# Altium PCB WCAM-BREAKOUT-PCB-R03.PcbDoc (part 2 of 2)
Units mm, origin at the board's own origin, x right, y up, seen from the top; angles counter-clockwise.
Board outline 42.7 x 48.05 mm, 4 copper layers (Top Layer, Mid1, Mid2, Bottom Layer), stack 1.586 mm thick; 114 components, 74 nets, 347 pads, 271 vias.
Unrouted connection lines stored in the file: 147.
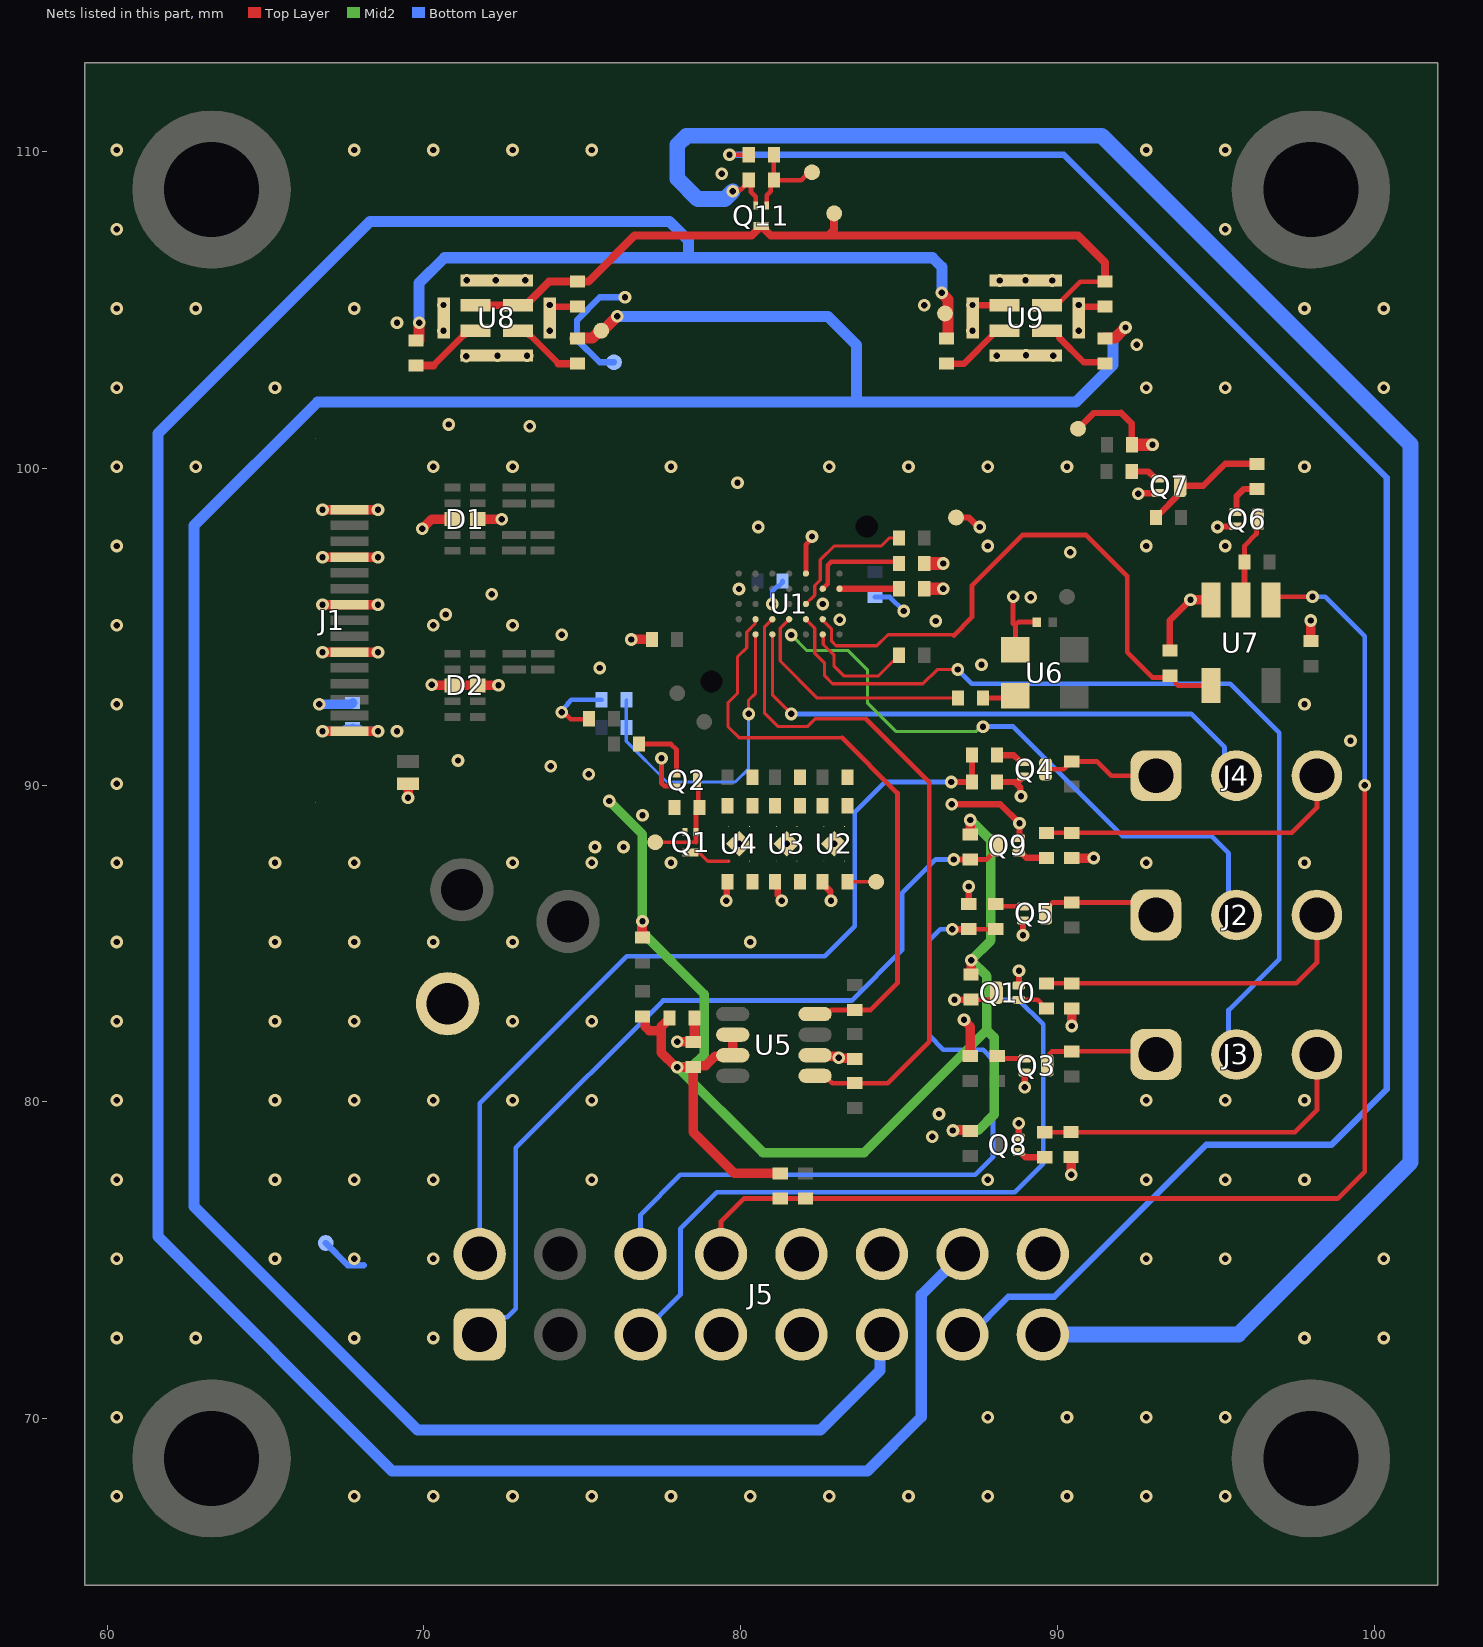
[diagram p4: the nets of this part, all layers, seen from the top]

## Via types
v1: diameter 0.4, hole 0.2, Top Layer to Bottom Layer, tented both sides, 164 vias
v2: diameter 0.4/0.4/0.4/0.4 (per signal layer), hole 0.2, Top Layer to Bottom Layer, tented both sides, 107 vias

## Nets (pads, with @x,y where several pads share a name; then routed paths per layer and width w, separated by ;. In a path a pad name is that pad's centre, name@x,y a point inside that pad or via, vN(x,y) a via of type N, cw(c..) or ccw(c..) an arc to the next point about the centre after c; other vN are vias at no path point) (continued)
GND: C1.2 C2.2 C4.2 C5.2 C6.2 C7.2 C8.2 C9.2 C10.2 C11.2 C12.2 C13.2 C14.2 C15.2 C16.2 C17.2 C18.2 D1.3 D1.8 D2.3 D2.8 D3.2 J1.1 J1.4 J1.7 J1.10 J5.7 J5.9 J5.10 J5.12 J5.16 Q2.2 Q3.2 Q4.2 Q5.2 Q6.2 Q7.2 Q8.2 Q9.2 Q10.2 R6.2 R8.1 R9.1 R15.1 R24.1 R25.1 R26.1 R28.1 R33.1 R39.1 R40.1 R41.1 TP10.TP TP11.TP TP12.TP TP13.TP TP16.TP U1.B1 U1.C2 U1.C5 U1.D7 U1.E3 U2.2 U2.5 U3.2 U3.5 U4.2 U4.5 U5.6 U6.2 U7.3 U8.5 U8.6 U8.7 U8.8 U9.3 U9.5 U9.6 U9.7 U9.8 | length 54.7
  Top Layer w0.15: v1(70.786,101.388) 70.788,101.388 v1@70.8,101.4 ; v1(74.35,92.3) 74.418,92.3 74.637,92.081 75.186,92.081 R6.2@75.205,92.1 ; v1(77.5,90.85) 77.5,90.063 77.588,89.975 Q2.2@77.975,89.975 ; C11.2@79.58,86.95 C11.2@79.593,86.937 ; U1.E3@82.06,96.68 82.06,97.592 82.25,97.782 v1(82.25,97.85) ; U1.B1@83.06,95.25 83.11,95.25 U1.B1@83.12,95.24 83.131,95.229 v1(83.131,95.218) ; v1(88.6,95.95) 88.6,95.1 88.65,95.05 ; U6.2@88.675,94.275 88.675,95.05 ; 88.675,95.062 88.763,95.15 C15.2@89.35,95.15
  Top Layer w0.2: v1(73.977,105.16) 74.032,105.105 C16.2@74.9,105.105 ; v1(79.55,86.35) 79.565,86.365 79.565,86.909 C11.2@79.593,86.937 ; C7.2@81.08,86.95 81.08,86.9 81.17,86.81 81.17,86.534 81.3,86.404 v1(81.3,86.35) ; C1.2@82.58,86.95 82.58,86.9 82.836,86.644 82.836,86.318 v1@82.85,86.304 ; v1(86.665,89.401) 88.199,89.401 v1(88.8,88.8) 88.8,88.35 Q9.2@88.775,88.325 ; TP13.TP@86.892,98.45 87.196,98.45 87.496,98.15 v1(87.55,98.15) ; R26.1@87.2,86.245 v1(87.2,86.8) ; U9.7@87.35,105.15 U9.3@88.325,105.15 ; R25.1@88.095,90.1 88.75,90.1 ; Q8.2@88.775,78.875 v1(88.775,79.325) ; Q10.2@88.788,83.688 v1(88.788,84.137) ; v1@88.9,89.6 88.821,89.679 88.821,89.929 88.7,90.05 88.825,90.175 88.825,90.25 88.85,90.275 Q4.2@88.925,90.275 ; v1(88.913,85.263) Q5.2@88.913,85.713 ; v1(88.963,80.463) Q3.2@88.963,80.913 ; TP12.TP@90.65,101.25 91.15,101.75 91.996,101.75 92.008,101.762 92.35,101.419 R33.1@92.35,100.8 ; v1(90.677,105.16) 90.732,105.105 C17.2@91.4,105.105 ; v1(92.55,99.2) 92.564,99.214 93.164,99.214 Q7.2@93.175,99.225 ; v1@92.998,100.748 v1@93.05,100.8 ; R28.1@93.55,94.245 93.55,95.2 v1(94.2,95.85) ; v1@95.064,98.164 Q6.2@95.664,98.164
  Top Layer w0.3: v1(66.8,94.2) J1.10@67.65,94.2 v1(68.549,94.2) ; v1(66.8,95.7) J1.7@67.65,95.7 v1(68.549,95.7) ; v1(66.8,97.2) J1.4@67.65,97.2 v1(68.549,97.2) ; v1(66.8,98.7) J1.1@67.65,98.7 v1(68.549,98.7) ; v1(69.5,89.6) D3.2@69.5,90.05 ; v1(69.95,98.1) 70.25,98.4 D1.3@70.9,98.4 ; v1@70.268,93.15 70.269,93.152 70.293,93.152 70.295,93.15 D2.3@70.9,93.15 v1(72.354,93.15) ; D1.8@71.7,98.4 v1(72.454,98.4) ; v1(76.55,94.6) C4.2@77.205,94.6 ; v1(78,81.9) 78.495,81.9 C13.2@78.5,81.895 ; C13.2@78.535,81.9 R15.1@78.535,82.64 ; U5.6@82.35,81.475 82.375,81.45 83.023,81.45 83.073,81.4 v1(83.1,81.4) 83.119,81.381 83.574,81.381 C14.2@83.6,81.355 ; v1(87.05,82.6) 87.05,82.574 87.25,82.374 R24.1@87.25,81.45 ; v1(90.432,77.705) R39.1@90.432,78.26 ; v1(90.45,82.4) R41.1@90.45,82.955 ; R40.1@90.45,87.705 90.455,87.7 v1(91.15,87.7) ; v1(94.2,95.85) U7.3@94.844,95.85 ; C18.2@98,94.545 v1@98,95.173
  Top Layer w0.4: C9.2@85.795,96.2 v1(86.4,96.2) ; C10.2@85.795,97 v1@86.35,97 ; R33.1@92.357,100.748 v1@92.998,100.748
  Bottom Layer w0.15: v1(74.35,92.3) 74.35,92.368 74.551,92.569 74.551,92.594 74.657,92.7 R8.1@75.61,92.7 ; v1(81,95.72) 81,96.125 81.155,96.28 81.205,96.28 81.32,96.395 C5.2@81.32,96.445 ; R9.1@84.244,95.938 84.712,95.938 v1(85.15,95.5)
  Bottom Layer w0.2: TP10.TP@66.9,75.55 67.6,74.85 67.996,74.85 68.008,74.838 68.088,74.838 68.1,74.85 ; TP11.TP@76,103.35 75.55,103.35 74.833,104.067 74.833,104.683 75.55,105.4 v1@76.3,105.4
  Bottom Layer w0.3: v1@66.727,92.55 67.487,92.55 67.492,92.555 67.71,92.555 C6.2@67.75,92.595
  other v1: 86.05,78.9 86.26,79.618 82.85,86.35 75.4,88.05 76.3,88.05 79.95,88.15 81.45,88.15 82.95,88.15 88.85,89.65 74,90.6 71.078,90.781 99.25,91.4 69.15,91.7 66.7,92.55 70.247,93.171 75.55,93.7 87.6,93.8 74.35,94.75 86.157,95.183 98,95.2 70.686,95.388 82.59,95.72 89.156,95.938 72.138,96.032 79.946,96.195 86.4,97 90.4,97.35 80.55,98.15 95.05,98.15 79.9,99.55 93,100.75 73.338,101.332 71.332,103.545 72.326,103.558 73.254,103.558 88.082,103.557 89.862,103.557 89.006,103.568 92.5,103.9 70.62,104.35 73.974,104.35 87.32,104.35 90.674,104.35 69.15,104.6 70.62,105.16 85.8,105.15 87.32,105.16 76.35,105.4 71.358,105.935 72.267,105.938 73.202,105.935 88.181,105.933 88.992,105.94 89.831,105.933 79.4,109.3
  other v2: 60.3,67.55 67.8,67.55 70.3,67.55 72.8,67.55 75.3,67.55 77.8,67.55 80.3,67.55 82.8,67.55 85.3,67.55 87.8,67.55 90.3,67.55 92.8,67.55 95.3,67.55 60.3,70.05 87.8,70.05 90.3,70.05 92.8,70.05 95.3,70.05 60.3,72.55 62.8,72.55 67.8,72.55 70.3,72.55 97.8,72.55 100.3,72.55 60.3,75.05 65.3,75.05 67.8,75.05 70.3,75.05 92.8,75.05 95.3,75.05 100.3,75.05 60.3,77.55 65.3,77.55 67.8,77.55 70.3,77.55 75.3,77.55 87.8,77.55 92.8,77.55 95.3,77.55 97.8,77.55 60.3,80.05 65.3,80.05 67.8,80.05 70.3,80.05 72.8,80.05 75.3,80.05 92.8,80.05 95.3,80.05 97.8,80.05 60.3,82.55 65.3,82.55 67.8,82.55 72.8,82.55 75.3,82.55 60.3,85.05 65.3,85.05 67.8,85.05 70.3,85.05 72.8,85.05 80.3,85.05 60.3,87.55 65.3,87.55 67.8,87.55 72.8,87.55 75.3,87.55 77.8,87.55 92.8,87.55 97.8,87.55 60.3,90.05 60.3,92.55 97.8,92.55 60.3,95.05 70.3,95.05 72.8,95.05 60.3,97.55 87.8,97.55 92.8,97.55 95.3,97.55 60.3,100.05 62.8,100.05 70.3,100.05 72.8,100.05 77.8,100.05 82.8,100.05 85.3,100.05 87.8,100.05 90.3,100.05 97.8,100.05 60.3,102.55 65.3,102.55 92.8,102.55 95.3,102.55 100.3,102.55 60.3,105.05 62.8,105.05 67.8,105.05 97.8,105.05 100.3,105.05 60.3,107.55 95.3,107.55 60.3,110.05 67.8,110.05 70.3,110.05 72.8,110.05 75.3,110.05 92.8,110.05 95.3,110.05
GPIO_3V3_INPUT: J5.2 R21.2 R25.2 | length 27.4
  Top Layer w0.2: v1(86.65,90.1) R25.2@87.305,90.1 ; R25.2@87.305,90.105 R21.2@87.305,90.9
  Bottom Layer w0.15: J5.2@71.76,75.2 71.76,79.96 76.4,84.6 82.65,84.6 83.6,85.55 83.6,89.15 84.55,90.1 v1(86.65,90.1)
GPIO_3V3_OUTPUT: J5.1 Q9.3 R30.1 | length 26.7
  Top Layer w0.15: R30.1@87.38,87.655 87.766,87.655 88.05,87.939 Q9.3@88.05,88
  Top Layer w0.2: v1(86.725,87.655) R30.1@87.25,87.655 R30.1@87.38,87.655
  Bottom Layer w0.15: J5.1@71.76,72.66 72.302,73.202 72.625,73.202 72.9,73.476 72.9,78.55 77.55,83.2 83.5,83.2 85.1,84.8 85.1,86.6 86.155,87.655 v1(86.725,87.655)
MIC_CLK: J5.14 R44.2 R45.1 TP6.TP | length 100.3
  Top Layer w0.349: R44.2@69.85,104.045 v1(69.85,104.6) ; v1(86.35,105.541) 86.35,105.527 86.55,105.327 R45.1@86.55,104.095
  Bottom Layer w0.349: v1(69.85,104.6) 69.85,105.85 70.65,106.65 78.35,106.65 ; v1(86.35,105.541) 86.35,106.35 86.05,106.65 78.35,106.65 ; J5.14@87,75.2 85.7,73.9 85.7,70.05 84,68.35 69,68.35 61.6,75.75 61.6,101.1 68.3,107.8 77.75,107.8 78.35,107.2 78.35,106.65
MIC_DATA: J5.11 R42.2 R43.1 TP7.TP | length 92.6
  Top Layer w0.349: R42.2@74.75,104.095 R42.2@74.765,104.11 ; R42.2@74.85,104.095 74.865,104.11 75.32,104.11 75.56,104.35 TP7.TP@75.6,104.35 ; TP7.TP@75.621,104.321 v1(76.1,104.8) ; R43.1@91.45,104.095 91.465,104.11 91.81,104.11 v1(92.15,104.45)
  Bottom Layer w0.349: v1(76.1,104.8) 82.75,104.8 83.65,103.9 83.65,102.1 ; J5.11@84.46,72.66 84.391,72.591 84.391,71.519 82.522,69.65 69.8,69.65 62.75,76.7 62.75,98.2 66.65,102.1 83.65,102.1 ; v1@92.14,104.44 91.75,104.05 91.75,103.261 90.589,102.1 83.65,102.1
MIC_DISABLE: J5.13 R47.1 | length 61.5
  Top Layer w0.15: v1(79.65,109.9) R47.1@80.255,109.9
  Bottom Layer w0.2: v1(79.65,109.9) 90.2,109.9 100.4,99.7 100.4,80.4 98.65,78.65 94.7,78.65 89.9,73.85 88.45,73.85 87.26,72.66 J5.13@87,72.66
NetC1_1: C1.1 C7.1 C11.1 Q1.3 TP1.TP U2.4 U3.4 U4.3 U4.4 | length 2.1
  Top Layer w0.1: Q1.3@78.568,87.872 78.693,87.872 78.964,87.601 U4.3@79.625,87.601 ; C1.1@83.37,86.95 TP1.TP@84.275,86.95
NetC2_1: C2.1 R1.2 U2.1
NetC8_1: C8.1 R2.2 U3.1
NetC12_1: C12.1 R4.2 U4.1
NetJ2_1: J2.1 Q5.3 R18.1 | length 3.9
  Top Layer w0.15: Q5.3@89.625,85.95 89.625,86.086 89.764,86.225 89.768,86.225 89.838,86.295 92.715,86.295 J2.1@93.11,85.9
NetJ2_3: J2.3 R38.1 R41.2 | length 10.3
  Top Layer w0.15: R38.1@89.65,83.745 R41.2@90.45,83.745 97.533,83.745 98.19,84.402 J2.3@98.19,85.9
NetJ3_1: J3.1 Q3.3 R16.1 | length 3.8
  Top Layer w0.15: Q3.3@89.675,81.15 89.742,81.217 89.742,81.507 89.83,81.595 R16.1@90.45,81.595 ; R16.1@90.45,81.6 93.01,81.6 J3.1@93.11,81.5
NetJ3_3: J3.3 R36.1 R39.2 | length 10.6
  Top Layer w0.15: R36.1@89.6,79.045 97.495,79.045 98.19,79.74 J3.3@98.19,81.5
NetJ4_1: J4.1 Q4.3 R17.1 | length 3.8
  Top Layer w0.15: Q4.3@89.625,90.5 90.193,90.5 90.31,90.617 90.31,90.655 R17.1@90.4,90.745 ; R17.1@90.5,90.745 R17.1@90.45,90.745 91.255,90.745 91.7,90.3 J4.1@93.11,90.3
NetJ4_3: J4.3 R37.1 R40.2 | length 9.8
  Top Layer w0.15: R37.1@89.7,88.5 89.705,88.495 R40.2@90.45,88.495 ; R40.2@90.505,88.5 97.4,88.5 98.19,89.29 J4.3@98.19,90.3
NetQ1_1: Q1.1 Q2.3 R3.2 TP4.TP | length 3.2
  Top Layer w0.1: TP4.TP@77.3,88.2 78.593,88.2
  Top Layer w0.15: 78.593,88.2 Q1.1@78.593,88.522 ; Q1.1@78.593,88.572 78.593,89.198 R3.2@78.695,89.3 ; Q2.3@78.625,90.1 78.66,90.065 R3.2@78.66,89.3
NetQ2_1: Q2.1 R5.2 | length 2.2
  Top Layer w0.15: R5.2@76.87,91.375 R5.2@76.795,91.3 77.8,91.3 77.975,91.125 Q2.1@77.975,90.325
NetQ3_1: Q3.1 R20.1 | length 0.9
  Top Layer w0.15: R20.1@88.1,81.45 88.175,81.375 Q3.1@88.975,81.375
NetQ4_1: Q4.1 R21.1 | length 0.9
  Top Layer w0.2: R21.1@88.095,90.95 88.625,90.95 88.825,90.75 Q4.1@88.9,90.75
NetQ5_1: Q5.1 R23.1 | length 0.9
  Top Layer w0.15: R23.1@88.05,86.245 88.12,86.175 Q5.1@88.925,86.175
NetQ6_1: Q6.1 R27.1 | length 1.3
  Top Layer w0.2: Q6.1@95.625,98.625 95.627,98.625 95.652,98.65 95.652,99.123 95.877,99.348 96.293,99.348 R27.1@96.3,99.355
NetQ7_1: Q7.1 R32.1 | length 0.9
  Top Layer w0.2: R32.1@92.345,99.9 92.875,99.9 93.075,99.7 93.15,99.7 Q7.1@93.175,99.675
NetQ7_3: Q7.3 R22.1 R27.2 | length 4.1
  Top Layer w0.2: R22.1@93.105,98.45 93.105,98.5 93.195,98.59 93.245,98.59 93.775,99.12 93.775,99.35 Q7.3@93.875,99.45 94.6,99.45 95.295,100.145 R27.2@96.3,100.145
NetQ8_1: Q8.1 R36.2 | length 0.9
  Top Layer w0.2: Q8.1@88.775,78.425 88.85,78.425 88.875,78.4 88.875,78.372 88.992,78.255 R36.2@89.6,78.255
NetQ9_1: Q9.1 R37.2 | length 0.9
  Top Layer w0.2: Q9.1@88.775,87.875 88.8,87.85 88.875,87.85 89.02,87.705 R37.2@89.65,87.705
NetQ10_1: Q10.1 R38.2 | length 1
  Top Layer w0.15: Q10.1@88.775,83.225 89.38,83.225 89.485,83.12 89.485,83.07 89.6,82.955 R38.2@89.65,82.955
NetQ11_1: Q11.1 R46.1 R47.2 TP9.TP | length 3
  Top Layer w0.15: Q11.1@80.825,108.3 80.825,108.625 80.948,108.748 80.948,109.003 R46.1@81.045,109.1 81.905,109.1 82.155,109.35 TP9.TP@82.25,109.35 ; R46.1@81.05,109.15 81.045,109.155 R47.2@81.045,109.9 R47.2@81.05,109.895
NetR14_2: R14.2 U6.3 | length 1.1
  Top Layer w0.1: U6.3@88.6,92.75 U6.3@88.675,92.825
  Top Layer w0.15: R14.2@87.645,92.75 U6.3@88.6,92.75
NetR42_1: R42.1 U8.1 | length 2.2
  Top Layer w0.2: U8.1@73.325,104.232 74.252,103.305
  Top Layer w0.25: U8.1@72.975,104.35 73.25,104.35 73.325,104.275 U8.1@73.325,104.232 ; 74.252,103.305 R42.1@74.7,103.305
NetR43_2: R43.2 U9.1 | length 2.4
  Top Layer w0.2: U9.1@89.675,104.35 89.95,104.35 90.05,104.25 90.05,104.133 90.833,103.35 R43.2@91.55,103.35
NetR44_1: R44.1 U8.2 | length 2.3
  Top Layer w0.2: 70.305,103.255 U8.2@71.278,104.228
  Top Layer w0.25: R44.1@69.85,103.255 70.305,103.255 ; U8.2@71.275,104.232 71.275,104.275 71.35,104.35 U8.2@71.625,104.35
NetR45_2: R45.2 U9.2 | length 2.2
  Top Layer w0.2: R45.2@86.55,103.305 87.048,103.305 87.975,104.232 87.975,104.275 88.05,104.35 U9.2@88.325,104.35
NetR48_2: R48.2 U1.C3 | length 4.3
  Top Layer w0.1: U1.C3@82.06,95.72 82.34,96 82.34,96.304 82.512,96.476 82.512,97.112 82.95,97.55 84.433,97.55 84.683,97.8 R48.2@84.95,97.8
NetR49_2: R49.2 U1.A2 | length 3.6
  Top Layer w0.1: U1.A2@82.59,94.76 82.609,94.741 82.609,94.441 82.95,94.1 82.95,93.75 83.25,93.45 84.35,93.45 84.81,93.91 84.865,93.91 85,94.045 R49.2@85,94.1
PWDNB_EXT: J5.8 R34.1 R35.1 U7.1 | length 42.4
  Top Layer w0.15: J5.8@79.38,75.2 79.38,76.23 80.1,76.95 98.85,76.95 99.7,77.8 v1(99.7,90) ; U7.1@96.744,95.85 96.844,95.95 v1(98.05,95.95)
  Bottom Layer w0.15: v1(98.05,95.95) 98.45,95.95 99.7,94.7 v1(99.7,90)
PWDNB_POWER_SUPPLY: Q6.3 R19.1 U7.2 | length 2.6
  Top Layer w0.15: R19.1@95.905,97.05 95.905,97.555 96.283,97.933 96.283,98.358 Q6.3@96.325,98.4
  Top Layer w0.2: U7.2@95.905,96.005 R19.1@95.905,97.05
SCL_1V8: R12.1 U1.B6 U5.8 | length 19
  Top Layer w0.1: U1.B6@80.47,95.24 80.451,95.221 80.451,95.094 80.19,94.834 80.19,94.34 79.9,94.05 79.9,92.9 79.6,92.6 79.6,91.85 79.95,91.5 83.2,91.5
  Top Layer w0.15: U5.8@82.35,82.775 82.731,82.775 82.861,82.905 R12.1@83.6,82.905 84.105,82.905 84.95,83.75 84.95,89.75 83.2,91.5
SDA_1V8: R13.1 U1.B5 U5.5 | length 21.8
  Top Layer w0.1: U1.B5@81,95.24 80.75,94.99 80.75,92.282 81.182,91.85 82.1,91.85 82.35,92.1 83.95,92.1
  Top Layer w0.15: U5.5@82.35,80.825 82.658,80.825 82.888,80.595 84.645,80.595 85.955,81.905 85.955,84.75 85.955,90.095 83.95,92.1
SNS_FSIN: J3.2 U1.B3 | length 28.3
  Top Layer w0.1: U1.B3@82.06,95.24 82.34,94.96 82.34,94.16 82.65,93.85 82.65,93.45 82.9,93.2 85.75,93.2 86.2,93.65 v1(86.85,93.65)
  Bottom Layer w0.15: v1@86.852,93.648 87.3,93.2 95.45,93.2 97,91.65 97,84.5 95.4,82.9 J3.2@95.4,81.5
SNS_GPIO: J4.2 U1.A5 | length 17.8
  Top Layer w0.1: U1.A5@81,94.76 81,92.85 v1(81.6,92.25)
  Bottom Layer w0.15: v1@81.609,92.25 94.218,92.25 95.276,91.191 95.276,90.424 J4.2@95.4,90.3
SNS_PWDNB: R28.2 U1.B2 U7.4 | length 18.3
  Top Layer w0.1: U1.B2@82.6,95.203 82.64,95.163 82.64,95.154 82.87,94.924 82.87,94.539 83.009,94.4 84.3,94.4 84.65,94.75 86.7,94.75
  Top Layer w0.15: 86.725,94.725 87.3,95.3 87.3,96.3 88.9,97.9 90.9,97.9 92.2,96.6 92.2,94.2 93,93.4 93.655,93.4 93.715,93.34 93.715,93.238 93.803,93.15 U7.4@94.844,93.15
SNS_SID: R7.2 R8.2 U1.A6 | length 10.3
  Top Layer w0.1: v1@80.25,92.2 v1(80.25,92.25) 80.25,92.688 80.47,92.908 U1.A6@80.47,94.76
  Bottom Layer w0.1: R8.2@76.4,92.7 76.39,92.69 R7.2@76.39,91.825 76.39,91.385 77.675,90.1 79.825,90.1 80.25,90.525 v1(80.25,92.25)
SNS_STROBE: J2.2 U1.A4 | length 19.3
  Mid2 w0.1: v1(81.6,94.743) 82.093,94.25 83.4,94.25 84,93.65 84,92.6 84.9,91.7 87.441,91.7 87.591,91.85 v1(87.65,91.85)
  Bottom Layer w0.15: v1(87.65,91.85) 88.6,91.85 92.05,88.4 94.85,88.4 95.4,87.85 J2.2@95.4,85.9
SNS_VH: C9.1 U1.D1 | length 1.9
  Top Layer w0.2: U1.D1@83.12,96.2 C9.1@85.005,96.2
SNS_VN: C10.1 U1.D2 | length 3.1
  Top Layer w0.15: U1.D2@82.6,96.21 82.745,96.355 82.745,96.945 82.855,97.055 83.275,97.055 84.95,97.055 C10.1@85.005,97
SNS_XVCLK: R14.1 U1.B4 | length 7.5
  Top Layer w0.1: 81.25,94.864 81.25,94.656 81.25,93.919 82.419,92.75 R14.1@86.855,92.75 ; 81.25,94.864 81.25,94.96 U1.B4@81.53,95.24
STROBE_3V3_INPUT: J5.6 R23.2 R26.2 | length 23.8
  Top Layer w0.15: R26.2@87.33,85.455 R23.2@88.05,85.455
  Top Layer w0.2: v1(86.675,85.455) R26.2@87.2,85.455 R26.2@87.33,85.455
  Bottom Layer w0.15: J5.6@76.84,75.2 76.84,76.44 78.1,77.7 87.4,77.7 87.962,78.262 87.962,81.338 87.65,81.65 86.4,81.65 85.95,82.1 85.95,85.1 86.305,85.455 v1(86.675,85.455)
STROBE_3V3_OUTPUT: J5.5 Q10.3 R31.1 | length 25.2
  Top Layer w0.15: R31.1@87.275,83.23 87.952,83.23 88.075,83.353 Q10.3@88.075,83.45
  Top Layer w0.2: v1(86.75,83.23) R31.1@87.275,83.23
  Bottom Layer w0.15: J5.5@76.84,72.66 78.1,73.92 78.1,76 79.25,77.15 88.65,77.15 89.55,78.05 89.55,82.45 88.77,83.23 v1(86.75,83.23)
VCC3.3: C6.1 C13.1 J1.15 Q1.2 R3.1 R10.2 R11.2 R15.2 R29.2 R30.2 R31.2 R35.2 U5.2 U5.3 | length 50.5
  Top Layer w0.3: v1(66.8,91.7) J1.15@67.65,91.7 v1(68.549,91.7) ; R10.2@76.9,82.705 76.95,82.705 76.99,82.665 76.99,82.375 77.115,82.25 77.45,82.25 ; R11.2@76.9,85.195 v1(76.9,85.7) ; R15.2@77.755,82.65 77.755,82.6 77.715,82.56 77.676,82.56 77.5,82.384 77.5,81.55 77.95,81.1 v1@78.05,81.1 ; v1@78.003,81.102 78.498,81.102 78.54,81.145 78.895,81.145 79.196,81.446 79.721,81.446 U5.3@79.75,81.475 ; C13.1@78.5,81.105 78.5,79.05 79.805,77.745 R35.2@81.25,77.745 ; U5.3@79.75,81.5 U5.2@79.75,82.125 ; v1(86.7,79.1) 87.24,79.1 R29.2@87.25,79.09 ; R30.2@87.25,88.445 v1(87.25,88.9) ; R31.2@87.275,84.02 v1(87.275,84.475)
  Mid2 w0.3: v1@75.9,89.45 76.9,88.45 v1@76.9,85.75 ; v1(76.9,85.7) 76.9,85.35 78.85,83.4 78.85,81.5 78.45,81.1 v1(78,81.1) 80.7,78.4 83.9,78.4 87.7,82.2 ; v1@76.933,85.733 v1@76.946,85.719 ; v1(86.7,79.1) 87.5,79.1 88,79.6 88,82.038 87.776,82.262 87.776,83.974 v1(87.275,84.475) 87.9,85.1 87.9,88.25 v1(87.25,88.9)
  Bottom Layer w0.3: v1(66.8,91.7) 67.484,91.7 67.549,91.765 67.71,91.765 C6.1@67.75,91.805 67.79,91.765 67.951,91.765 68.016,91.7 v1@68.522,91.7
  other v1: 76.9,89.05 75.85,89.5 75.2,90.35
VCC3.3MIC: J5.15 Q11.2 R46.2 | length 68.5
  Top Layer w0.15: v1@79.813,108.75 79.861,108.798 80.003,108.798 80.255,109.05 R46.2@80.255,109.1 80.327,109.028 80.327,108.723 80.475,108.575 Q11.2@80.475,108.3
  Bottom Layer w0.5: v1(79.75,108.75) 79.5,108.5 78.65,108.5 78,109.15 78,110.207 78.293,110.5 91.4,110.5 101.15,100.75 101.15,78.1 95.71,72.66 J5.15@89.54,72.66
VCC_MIC: C16.1 C17.1 Q11.3 TP8.TP U8.3 U8.4 U9.4 | length 24.9
  Top Layer w0.15: U9.4@89.675,105.15 89.8,105.275 U9.4@90.103,105.275 ; U9.4@90.103,105.275 90.3,105.472 90.723,105.895 C17.1@91.4,105.895
  Top Layer w0.25: U8.3@71.625,105.15 U8.4@72.975,105.15 73.25,105.15 73.325,105.225 73.325,105.268 73.952,105.895 C16.1@74.85,105.895 ; C16.1@74.758,105.903 75.203,105.903 76.65,107.35 80.35,107.35 80.525,107.525 Q11.3@80.525,107.65 ; Q11.3@80.65,107.65 80.775,107.65 80.775,107.525 80.95,107.35 82.765,107.35 ; TP8.TP@82.95,108.05 82.95,107.535 82.765,107.35 ; C17.1@91.5,105.895 91.5,106.5 90.65,107.35 82.765,107.35
pads on no net: J1.MT

## Polygon pours and split planes (outlines as drawn)
GND on Top Layer "NONET_L04_P-001" (solid, pour order 48): 90.65,102.2 92.35,102.2 93.8,100.75 96.65,100.75 96.95,100.45 96.95,98.2 98.5,96.65 98.5,92.65 98.1,92.25 92.2,92.25 91.8,91.85 91.8,76.45 91.25,75.9 90.7,75.9 90.3,76.3 80.2,76.3 77.7,78.8 77.7,80.7 76.5,81.9 73.85,81.9 68.3,87.45 59.3,87.45 59.3,64.75 102,64.75 101.989,64.761 102,102.2
GND on Top Layer "NONET_L04_P-001" (solid, pour order 33): 89.5,96.137 89.25,96.45 88.5,96.45 88.35,96.3 88.35,94.85 88.2,94.7 88.2,93.85 89.1,93.85 89.15,93.9 89.15,94.65 89.5,95
VCC3.3 on Top Layer "NONET_L04_P-001" (solid, pour order 30): 74.85,90.65 74.85,89.6 75.8,88.65 77.65,88.65 77.9,88.4 78.35,88.4 78.35,88.9 78.1,89.15 78.1,89.55 76.8,89.55 75.7,90.65
DVDD on Top Layer "NONET_L04_P-001" (solid, pour order 11): 81.272,90.015 81.272,90.495 81.317,90.495 81.566,90.745 81.566,91.164 80.566,91.164 80.566,90.775 80.846,90.495 80.892,90.495 80.892,90.023 80.899,90.015
AVDD on Top Layer "NONET_L04_P-001" (solid, pour order 10): 79.769,90.008 79.769,90.488 79.814,90.488 80.063,90.738 80.063,91.157 79.063,91.157 79.063,90.769 79.343,90.488 79.389,90.488 79.389,90.016 79.396,90.008
DOVDD on Top Layer "NONET_L04_P-001" (solid, pour order 9): 82.77,90.01 82.77,90.49 82.815,90.49 83.065,90.74 83.065,91.159 82.065,91.159 82.065,90.77 82.345,90.49 82.39,90.49 82.39,90.017 82.397,90.01
GND on Top Layer "NONET_L04_P-001" (solid, pour order 8): 79.39,89.59 79.39,88.919 79.47,88.839 79.47,88.22 79.949,87.74 80.238,88.029 81.162,88.029 81.449,87.741 81.737,88.029 82.661,88.029 82.949,87.741 82.98,87.777 83.268,88.06 83.358,88.15 82.779,88.729 82.779,89.59 82.39,89.59 82.39,89.118 82.47,89.038 82.47,88.379 82.296,88.205 81.806,88.205 81.458,88.553 81.458,88.557 81.454,88.557 81.281,88.731 81.281,89.589 80.891,89.589 80.891,88.922 80.97,88.843 80.97,88.369 80.852,88.25 80.26,88.25 79.78,88.73 79.78,89.59
NetC1_1 on Top Layer "NONET_L04_P-001" (solid, remove dead copper, pour order 6): 78.1,88.001 78.1,86.633 79.328,85.406 82.894,85.406 83.56,86.072 83.56,87.332 83.43,87.462 83.43,87.922 83.305,87.922 83.12,87.737 83.12,87.251 83.181,87.189 83.181,86.712 83.182,86.711 83.022,86.551 82.218,86.551 82.058,86.711 82.058,87.337 81.93,87.465 81.93,87.925 81.805,87.925 81.62,87.74 81.62,87.251 81.68,87.191 81.68,86.68 81.551,86.551 80.716,86.551 80.556,86.711 80.56,86.715 80.56,87.332 80.43,87.462 80.43,87.92 80.307,87.92 80.305,87.922 80.12,87.737 80.12,87.461 80.18,87.401 80.18,86.708 80.023,86.551 79.105,86.551 78.7,86.956 78.7,88.001
NetC2_1 on Top Layer "NONET_L04_P-001" (solid, pour order 5): 83.18,90.49 83.18,88.898 83.122,88.84 83.123,88.839 83.123,88.561 83.305,88.379 83.424,88.379 83.56,88.516 83.56,90.49
NetC8_1 on Top Layer "NONET_L04_P-001" (solid, pour order 4): 81.68,90.49 81.68,88.898 81.622,88.84 81.623,88.839 81.623,88.561 81.805,88.379 81.924,88.379 82.06,88.516 82.06,90.49
NetC12_1 on Top Layer "NONET_L04_P-001" (solid, pour order 3): 80.18,90.49 80.18,88.898 80.122,88.84 80.123,88.839 80.123,88.561 80.305,88.379 80.424,88.379 80.56,88.516 80.56,90.49
GND on Top Layer "NONET_L04_P-001" (solid, pour order 49): 102,112.8 102,102.2 90.65,102.2 88.75,100.3 83.05,100.3 82.45,100.3 80.6,102.15 75.9,102.15 74.25,100.5 69.6,100.5 68.2,99.1 66.4,99.1 65.5,98.2 65.5,91.1 66,90.6 68,90.6 68.3,90.3 68.3,87.45 59.3,87.45 59.3,112.8
GND on Mid2 "NONET_L04_P-001" (solid, pour order 44): 59.3,112.8 59.3,64.75 102,64.75 102,112.8
DVDD on Mid2 "NONET_L04_P-001" (solid, pour order 18): 80.25,96 82.2,96 82.35,96.15 82.35,96.75 82.2,96.9 79.05,96.9 78.6,96.45 78.6,95.45 78.7,95.35 79.1,95.35 79.25,95.2 79.25,94.8 79.1,94.65 78.75,94.65 78.65,94.55 78.65,93.15 78.65,91.433 78.75,91.3 80.5,91.3 80.5,90.65 80.6,90.55 81.7,90.55 81.8,90.65 81.8,92.905 80.05,94.761 80.05,95.8
AVDD on Mid2 "NONET_L04_P-001" (solid, pour order 0): 80.15,91.25 80.2,91.2 80.2,90.65 80.1,90.55 78.2,90.55 77.85,90.9 77.85,96.6 78.7,97.45 83.9,97.45 84.4,96.95 84.4,94.55 84.25,94.4 82.4,94.4 81.7,95.1 81.5,95.1 81.3,95.3 81.3,95.85 81.35,95.95 81.7,95.95 81.75,95.85 81.75,95.55 81.9,95.4 82.17,95.4 82.45,95.633 82.45,96.8 82.3,96.95 79.2,96.95 78.55,96.3 78.55,95.4 78.65,95.3 79.05,95.3 79.2,95.15 79.2,94.85 79.05,94.7 78.7,94.7 78.6,94.6 78.6,91.35 78.7,91.25 79.55,91.25
VCC3.3 on Mid2 "NONET_L04_P-001" (solid, pour order 35): 66.2,92 68.8,92 68.9,91.9 68.9,90.65 69.3,90.25 74.1,90.25 74.6,90.75 75.9,90.75 76.3,90.35 76.3,89.6 77.15,89.6 77.5,89.25 77.5,88.35 67.1,88.35 66.2,89.3
DOVDD on Mid2 "Mid2-DOVDD" (solid, pour order 19): 83.4,88.75 83.4,80 90.6,80 90.75,80.15 90.75,94.4 95.55,94.4 97.05,92.9 98.2,92.9 98.6,93.3 98.6,97.35 95.8,97.35 94.444,95.994 94.444,95.011 91.35,94.95 91.25,95.05 91.25,95.6 91.1,95.75 90.45,95.75 90.3,95.6 90.3,95.05 90.2,94.95 89.15,94.95 88.6,95.5 87.65,95.5 87.5,95.35 87.5,95.05 87.7,94.85 88.35,94.85 88.5,94.7 88.5,92.25 88.35,92.1 88.35,91.05 88.2,90.9 85.45,90.9 82.3,94.05 80.7,95.561 80.7,95.85 80.6,95.95 80.3,95.95 80.2,95.85 80.2,95.55 80.3,95.45 80.3,94.65 81.9,93.05 81.9,90.65 82,90.55 82,90.3 81.95,90.25 77.2,90.25 77,90.45 76.55,90.45 76.45,90.35 76.45,89.9 76.6,89.75 80.2,89.75 80.4,89.55 80.4,86.1 80.55,85.95 80.9,85.95 81.05,86.1 81.05,88.75
GND on Bottom Layer "NONET_L-01_P-001" (solid, remove dead copper, pour order 46): 59.6,65.05 59.6,89.75 82.35,89.75 86.7,94.1 86.7,97.9 84.95,99.65 74.75,99.65 73.75,98.65 73.75,89.75 59.6,89.75 59.6,112.5 101.7,112.5 101.7,65.05
AGND on Bottom Layer "NONET_L04_P-001" (solid, pour order 14): 78.957,97.125 78.957,95.4 77.85,95.4 76.85,94.75 76.85,91.747 77.947,90.65 80.016,90.65 80.016,93.2 83.252,93.2 83.708,93.6 83.708,95.035 84.5,95.556 84.5,97.125 83.462,97.125
GND on Mid1 "NONET_L04_P-001" (solid, pour order 32): 59.3,112.8 59.3,64.75 102,64.75 102,112.8

## Other copper
Top Layer:
  pour cut-out: 69.3,102.65 75.05,102.65 79.25,106.85 81.95,106.85 86,102.8 92.5,102.8 93.05,103.35 93.05,104.55 92.35,105.25 92.35,106.25 90.9,107.7 84.9,107.7 82.3,110.3 79.2,110.3 78.7,109.8 78.7,107.9 78.5,107.7 76.2,107.7 75.15,106.65 69.4,106.65 68.95,106.2 68.95,103
  text ".Layer_Name" at 48.428,-29.758 h2.5
Mid1:
  text "'.Layer_Name'" at 55.093,-30.165 h2.5
Mid2:
  pour cut-out: 83.55,90.2 83.2,90.55
  text ".Layer_Name" at 55.826,-30.2 h2.5
Bottom Layer:
  text "'.Layer_Name'" at 45.096,-29.758 h2.5

## Silkscreen, mask and mechanical layers (free items; w line width, h text height)
Top Overlay:
  region: 83.45,94.058 83.45,94.278 82.458,94.278 82.458,94.058
  rectangle: 83.44,94.25 83.66,95.258
  rectangle: 79.4,94.058 79.62,95.258
  region: 79.61,97.378 79.61,97.158 80.6,97.158 80.6,97.378
  region: 79.62,97.192 79.4,97.192 79.4,96.178 79.62,96.178
  region: 83.66,97.378 83.44,97.378 83.44,96.178 83.66,96.178
  region: 83.658,97.158 83.658,97.378 82.458,97.378 82.458,97.158
  region: 79.4,94.278 79.4,94.058 80.6,94.058 80.6,94.278
  lines w0.1: 73.045,65.23 73.052,76.476 ; 74.124,70.386 74.131,70.378 ; 75.6,65.3 75.6,76.426 ; 78.192,65.23 78.195,76.476 ; 80.65,65.23 80.65,76.476 ; 83.3,65.245 83.3,76.476 ; 85.633,65.245 85.633,76.476 ; 88.324,65.245 88.324,76.476 ; 61.25,73.45 61.55,73.15 67.45,73.15 67.8,73.5 67.8,86.3 67.4,86.7 61.7,86.7 61.25,86.25 61.25,73.45 ; 70.35,65.23 70.35,76.476 91.4,76.476 91.4,65.23 70.35,65.23 ; 78.53,92.72 78.53,98.72 84.53,98.72 84.53,92.72 78.53,92.72
  lines w0.15: 70.645,71.05 70.4,71.295 70.4,73.8 70.875,74.275 ; 72.268,106.574 72.268,106.974 ; 72.65,71.7 72.7,71.65 72.7,71.6 ; 72.7,71.2 72.7,71.55 ; 73.245,71 73.15,71.095 73.15,73.9 73.475,74.225 ; 75.215,71.692 75.265,71.642 75.265,71.592 ; 75.265,71.192 75.265,71.542 ; 75.795,71.2 75.7,71.295 75.7,74.1 76.025,74.425 ; 75.95,94.35 75.95,94.25 76.2,94 77.35,94 77.85,93.5 ; 77.765,71.742 77.815,71.692 77.815,71.642 ; 77.815,71.242 77.815,71.592 ; 78.395,71.15 78.25,71.295 78.25,74 78.625,74.375 ; 78.4,71.15 78.6,70.95 78.6,69.35 ; 80.215,71.642 80.265,71.592 80.265,71.542 ; 80.265,68.5 80.265,71.492 ; 81.05,68.6 81.05,70.95 80.805,71.195 80.8,71.195 80.75,71.245 80.75,74.05 81.075,74.375 ; 82.815,71.692 82.865,71.642 82.865,71.592 ; 82.865,68.5 82.865,71.542 ; 83.445,71.1 83.35,71.195 83.35,74 83.675,74.325 ; 83.45,71.1 83.6,70.95 83.6,68.45 ; 85.165,71.692 85.215,71.642 85.215,71.592 ; 85.215,70.35 85.215,71.542 ; 85.85,69.25 85.85,71.1 85.85,74.092 ; 85.85,74.1 86.075,74.325 ; 87.765,71.692 87.815,71.642 87.815,71.592 ; 87.815,69.35 87.815,71.542 ; 88.495,71.05 88.4,71.145 88.4,73.95 88.725,74.275 ; 88.5,71.05 88.7,70.85 88.7,68.65 ; 88.95,106.5 88.95,106.9 ; 90.665,71.742 90.715,71.692 90.715,71.642 ; 90.715,69.4 90.715,71.592
  lines w0.153: 77.13,92.437 77.13,92.07 77.25,91.95 78.25,91.95
  text "MIC LEFT" at 68.953,107.153 h1
  text "MIC RIGHT" at 85.203,107.153 h1
  text "OV Tech GmbH" at 64.234,74.8 h1.4 r90
  text "WCAM-BREAKOUT-PCB-R03" at 65.838,73.7 h1 r90
  text "GPIO_I" at 71.53,65.503 h1 r90
  text "GPIO_O" at 72.83,65.453 h1 r90
  text "GND" at 89.597,65.453 h1 r90
  text "MDIS" at 88.094,65.416 h1 r90
  text "FSIN_I" at 74.18,65.403 h1 r90
  text "FSIN_O" at 75.43,65.403 h1 r90
  text "STRB_I" at 76.73,65.403 h1 r90
  text "STRB_O" at 77.98,65.403 h1 r90
  text "PDWN" at 79.347,65.403 h1 r90
  text "GND" at 80.497,65.403 h1 r90
  text "GND" at 81.897,65.403 h1 r90
  text "MVCC" at 91.097,65.403 h1 r90
  text "MCLK" at 86.785,65.383 h1 r90
  text "GND" at 83.147,65.353 h1 r90
  text "GND" at 84.397,65.353 h1 r90
  text "MDATA" at 85.497,65.353 h1 r90
  text "'.Layer_Name'" at 45.929,-29.758 h2.5
Bottom Overlay:
  circle w0.2: c92.56,94.255 r0.473
  circle w0.2: c95.1,94.255 r0.473
  circle w0.2: c97.64,94.255 r0.473
  circle w0.2: c92.56,95.705 r0.473
  circle w0.2: c95.1,95.705 r0.473
  circle w0.2: c97.64,95.705 r0.473
  circle w0.2: c97.64,97.15 r0.473
  circle w0.2: c95.1,97.15 r0.473
  circle w0.2: c92.56,97.15 r0.473
  lines w0.1: 93.033,97.15 93.348,97.15 ; 93.039,94.255 93.354,94.255 ; 93.696,97.15 94.011,97.15 ; 93.702,94.255 94.017,94.255 ; 94.314,97.15 94.628,97.15 ; 94.32,94.255 94.635,94.255 ; 95.609,95.705 95.924,95.705 ; 95.627,97.15 95.942,97.15 ; 96.202,95.693 96.517,95.693 ; 96.221,97.15 96.535,97.15 ; 96.82,95.688 97.135,95.688 ; 96.839,97.15 97.153,97.15 ; 88.35,92.588 100.34,92.588 100.34,93.43 100.34,97.87 88.35,97.87 88.35,92.588
  lines w0.2: 93.074,95.705 94.63,95.704 ; 95.623,94.255 97.167,94.255
  text "NC" at 91.45,96.45 h1
  text "IN" at 91.45,95 h1
  text "OUT" at 91.418,93.647 h1
  text "J-CFG" at 98.7,92.8 h1 r270
  text "'.Layer_Name'" at 42.597,-29.758 h2.5
Top Paste:
  text "'.Layer_Name'" at 48.428,-29.758 h2.5
Bottom Paste:
  text "'.Layer_Name'" at 45.096,-30.175 h2.5
Top Solder:
  text "'.Layer_Name'" at 47.387,-29.758 h2.5
Bottom Solder:
  text "'.Layer_Name'" at 44.055,-30.175 h2.5
Drill Guide:
  text "'.Layer_Name'" at 46.554,-30.175 h2.5
Board Shape:
  the board outline again, w0.1
  text "'.Layer_Name'" at 46.371,-29.683 h2.5
Image Sensor optics area:
  lines w0.1: 78.53,92.72 84.53,92.72 84.53,98.72 78.53,98.72 78.53,92.72
  text "Keep out area" at 80.653,94.418 h0.2 r45
  text "Image sensor optics" at 79.953,94.318 h0.2 r45
Fab Notes:
  drawing of 110 lines, arcs and shapes, not listed
  text "1" at 11.233,228.41 h2.5
  text "2" at 58.317,228.41 h2.5
  text "3" at 105.817,228.41 h2.5
  text "4" at 153.317,228.41 h2.5
  text "A" at -10.433,206.995 h2.5
  text "A" at 174.567,206.995 h2.5
  text "B" at -10.433,159.165 h2.5
  text "B" at 174.567,159.165 h2.5
  text "Fabrication Notes" at 82.903,158.053 h1.2
  text "- Board supplier: JLCPCB" at 83.014,156.677 h1
  text "- Standard Board Stackup: JLC04161H-7628" at 83.014,155.277 h1
  text "Layer stack table" at 35.831,155.077 h2.54
  text "Layer" at 37.138,151.448 h1.52
  text "Name" at 47.55,151.448 h1.52
  text "Material" at 71.166,151.448 h1.52
  text "Thickness" at 93.004,151.448 h1.52
  text "Constant" at 109.509,151.448 h1.52
  text "Top Overlay" at 47.55,148.4 h1.52
  text "Top Solder" at 47.55,145.352 h1.52
  text "Solder Resist" at 71.166,145.352 h1.52
  text "0.010mm" at 93.004,145.352 h1.52
  text "3.8" at 109.509,145.352 h1.52
  text "1" at 37.138,142.304 h1.52
  text "Top Layer" at 47.55,142.304 h1.52
  text "CF-004" at 71.166,142.304 h1.52
  text "0.035mm" at 93.004,142.304 h1.52
  text "Dielectric 2" at 47.55,139.256 h1.52
  text "PP-022" at 71.166,139.256 h1.52
  text "0.210mm" at 93.004,139.256 h1.52
  text "4.4" at 109.509,139.256 h1.52
  text "2" at 37.138,136.208 h1.52
  text "Mid1" at 47.55,136.208 h1.52
  text "0.015mm" at 93.004,136.208 h1.52
  text "Dielectric 1" at 47.55,133.16 h1.52
  text "FR-4" at 71.166,133.16 h1.52
  text "1.065mm" at 93.004,133.16 h1.52
  text "4.6" at 109.509,133.16 h1.52
  text "3" at 37.138,130.112 h1.52
  text "Mid2" at 47.55,130.112 h1.52
  text "0.015mm" at 93.004,130.112 h1.52
  text "Dielectric 3" at 47.55,127.064 h1.52
  text "PP-022" at 71.166,127.064 h1.52
  text "0.210mm" at 93.004,127.064 h1.52
  text "4.4" at 109.509,127.064 h1.52
  text "4" at 37.138,124.016 h1.52
  text "Bottom Layer" at 47.55,124.016 h1.52
  text "CF-004" at 71.166,124.016 h1.52
  text "0.035mm" at 93.004,124.016 h1.52
  text "Bottom Solder" at 47.55,120.968 h1.52
  text "Solder Resist" at 71.166,120.968 h1.52
  text "0.010mm" at 93.004,120.968 h1.52
  text "3.8" at 109.509,120.968 h1.52
  text "Bottom Overlay" at 47.55,117.92 h1.52
  text "C" at -10.433,111.315 h2.5
  text "C" at 174.567,111.315 h2.5
  text "D" at -10.433,63.485 h2.5
  text "D" at 174.567,63.485 h2.5
  text "E" at -10.433,15.655 h2.5
  text "E" at 174.567,15.655 h2.5
  text "TITLE" at 36.4,-9.01 h1
  text ".Pcb_File_Name_No_Path" at 48.536,-11.51 h2.5
  text "VARIANT" at 36.4,-15.51 h1
  text "APPROVALS" at 89.485,-17.465 h1.25
  text "DATE" at 116.359,-17.465 h1.25
  text ".VariantName" at 45.238,-18.84 h2
  text "LAYER NAME" at 36.4,-22.01 h1
  text "DRAWN" at 83.9,-22.01 h1
  text "2026-04-25" at 108.9,-23.84 h2
  text "Thomas Ludemann" at 83.404,-24.59 h1.5
  text "OV Tech GmbH" at 137.321,-26.09 h2.5
  text "CHECKED" at 83.9,-27.62 h1
  text "Am Weichselgarten 9" at 140.55,-28.757 h1.25
  text "2026-04-25" at 108.9,-29.45 h2
  text "Thomas Ludemann" at 83.404,-30.2 h1.5
  text "91058 Erlangen" at 143.569,-31.257 h1.25
  text "F" at -10.433,-32.175 h2.5
  text "F" at 174.567,-32.175 h2.5
  text "ENGINEER" at 83.9,-33.23 h1
  text "Germany" at 147.735,-33.257 h1.25
  text "2026-04-25" at 108.9,-35.06 h2
  text "https://www.open-visions.com/" at 134.718,-35.257 h1.25
  text "Thomas Ludemann" at 83.404,-35.81 h1.5
  text "REV." at 131.4,-38.84 h1
  text "SIZE" at 139.9,-38.84 h1
  text "DATE" at 148.4,-38.84 h1
  text "0.1" at 132.4,-42.34 h2
  text "A4" at 140.9,-42.34 h2
  text ".Print_Date" at 149.4,-42.34 h2
  text "SCALE" at 131.4,-45.34 h1
  text "PAGE" at 156.4,-45.34 h1
  text ".Print_Scale" at 132.237,-48.84 h2
  text "1 OF 1" at 159.235,-48.84 h2
  text "Copy right 2026 OV Tech GmbH / This hardware design is licensed under the CERN Open Hardware Licence Version 2 - Strongly Reciprocal (CERN-OHL-S-2.0). You may redistribute and modify this design under the terms of the license. This design is provided \"as is\", without any warranties. See LICENSE file in the repository for full license details." at 36.719,-49.396 h1
  text "1" at 11.233,-53.59 h2.5
  text "2" at 58.317,-53.59 h2.5
  text "3" at 105.817,-53.59 h2.5
  text "4" at 153.317,-53.59 h2.5
Drill Drawing:
  circle w0.15: c34.384,49.384 r0.428
  lines w0.15: 33.956,41.257 34.384,41.47 34.812,41.257 34.598,41.684 34.812,42.112 34.384,41.898 33.956,42.112 34.17,41.684 33.956,41.257 ; 33.956,44.037 34.812,44.037 34.384,43.182 33.956,44.037 ; 33.956,45.107 34.812,45.107 34.812,45.962 33.956,45.962 33.956,45.107 ; 33.956,47.245 34.17,47.245 34.17,47.032 34.598,47.032 34.598,47.245 34.812,47.245 34.812,47.673 34.598,47.673 34.598,47.887 34.17,47.887 34.17,47.673 33.956,47.673 33.956,47.245
  lines w0.3: 33.182,40.679 124.076,40.679 ; 33.182,50.304 124.076,50.304 ; 40.321,38.754 40.321,52.229 ; 48.062,38.754 48.062,52.229 ; 62.475,38.754 62.475,52.229 ; 69.036,38.754 69.036,52.229 ; 78.522,38.754 78.522,52.229 ; 97.81,38.754 97.81,52.229 ; 105.449,38.754 105.449,52.229 ; 115.09,38.754 115.09,52.229 ; 33.182,38.754 124.076,38.754 124.076,52.229 33.182,52.229 33.182,38.754
  text "Drill table" at 33.481,53.231 h2.54
  text "Symbol" at 34.337,50.882 h0.92
  text "Count" at 40.898,50.882 h0.92
  text "Hole Size" at 48.64,50.882 h0.92
  text "Plated" at 63.052,50.882 h0.92
  text "Hole Type" at 69.614,50.882 h0.92
  text "Drill Layer Pair" at 79.1,50.882 h0.92
  text "Via/Pad" at 98.388,50.882 h0.92
  text "Pad Shape" at 106.027,50.882 h0.92
  text "Template" at 115.667,50.882 h0.92
  text "271" at 40.898,48.957 h0.77
  text "0.200mm (7.87mil)" at 48.64,48.957 h0.77
  text "PTH" at 63.052,48.957 h0.77
  text "Round" at 69.614,48.957 h0.77
  text "Top Layer - Bottom Layer" at 79.1,48.957 h0.77
  text "Via" at 98.388,48.957 h0.77
  text "Rounded" at 106.027,48.957 h0.77
  text "(Mixed)" at 115.667,48.957 h0.77
  text "2" at 40.898,47.032 h0.77
  text "0.700mm (27.56mil)" at 48.64,47.032 h0.77
  text "PTH" at 63.052,47.032 h0.77
  text "Round" at 69.614,47.032 h0.77
  text "Top Layer - Bottom Layer" at 79.1,47.032 h0.77
  text "Pad" at 98.388,47.032 h0.77
  text "Rounded" at 106.027,47.032 h0.77
  text "c0h70" at 115.667,47.032 h0.77
  text "25" at 40.898,45.107 h0.77
  text "1.100mm (43.31mil)" at 48.64,45.107 h0.77
  text "PTH" at 63.052,45.107 h0.77
  text "Round" at 69.614,45.107 h0.77
  text "Top Layer - Bottom Layer" at 79.1,45.107 h0.77
  text "Pad" at 98.388,45.107 h0.77
  text "(Mixed)" at 106.027,45.107 h0.77
  text "(Mixed)" at 115.667,45.107 h0.77
  text "3" at 40.898,43.182 h0.77
  text "1.320mm (51.97mil)" at 48.64,43.182 h0.77
  text "PTH" at 63.052,43.182 h0.77
  text "Round" at 69.614,43.182 h0.77
  text "Top Layer - Bottom Layer" at 79.1,43.182 h0.77
  text "Pad" at 98.388,43.182 h0.77
  text "Rounded" at 106.027,43.182 h0.77
  text "c200h132" at 115.667,43.182 h0.77
  text "4" at 40.898,41.257 h0.77
  text "3.000mm (118.11mil)" at 48.64,41.257 h0.77
  text "PTH" at 63.052,41.257 h0.77
  text "Round" at 69.614,41.257 h0.77
  text "Top Layer - Bottom Layer" at 79.1,41.257 h0.77
  text "Pad" at 98.388,41.257 h0.77
  text "Rounded" at 106.027,41.257 h0.77
  text "c500h300" at 115.667,41.257 h0.77
  text "305 Total" at 40.898,39.332 h0.77
Top Assembly (Mech29):
  text "'.Layer_Name'" at 44.816,-29.792 h2.5
Bottom Assembly:
  text "'.Layer_Name'" at 41.483,-29.792 h2.5

## Text inside footprints (layer, text, board x,y; h text height)
U1: Top 3D Body (Mech13) "PLACE TOWARS BOTTOM PCB EDGE" at 79.93,94.02 h0.2
U8: Top 3D Body (Mech13) "PORT" at 70.95,105 h0.5 r90
U9: Top 3D Body (Mech13) "PORT" at 87.65,105 h0.5 r90